# KiCad board doodle.kicad_pcb
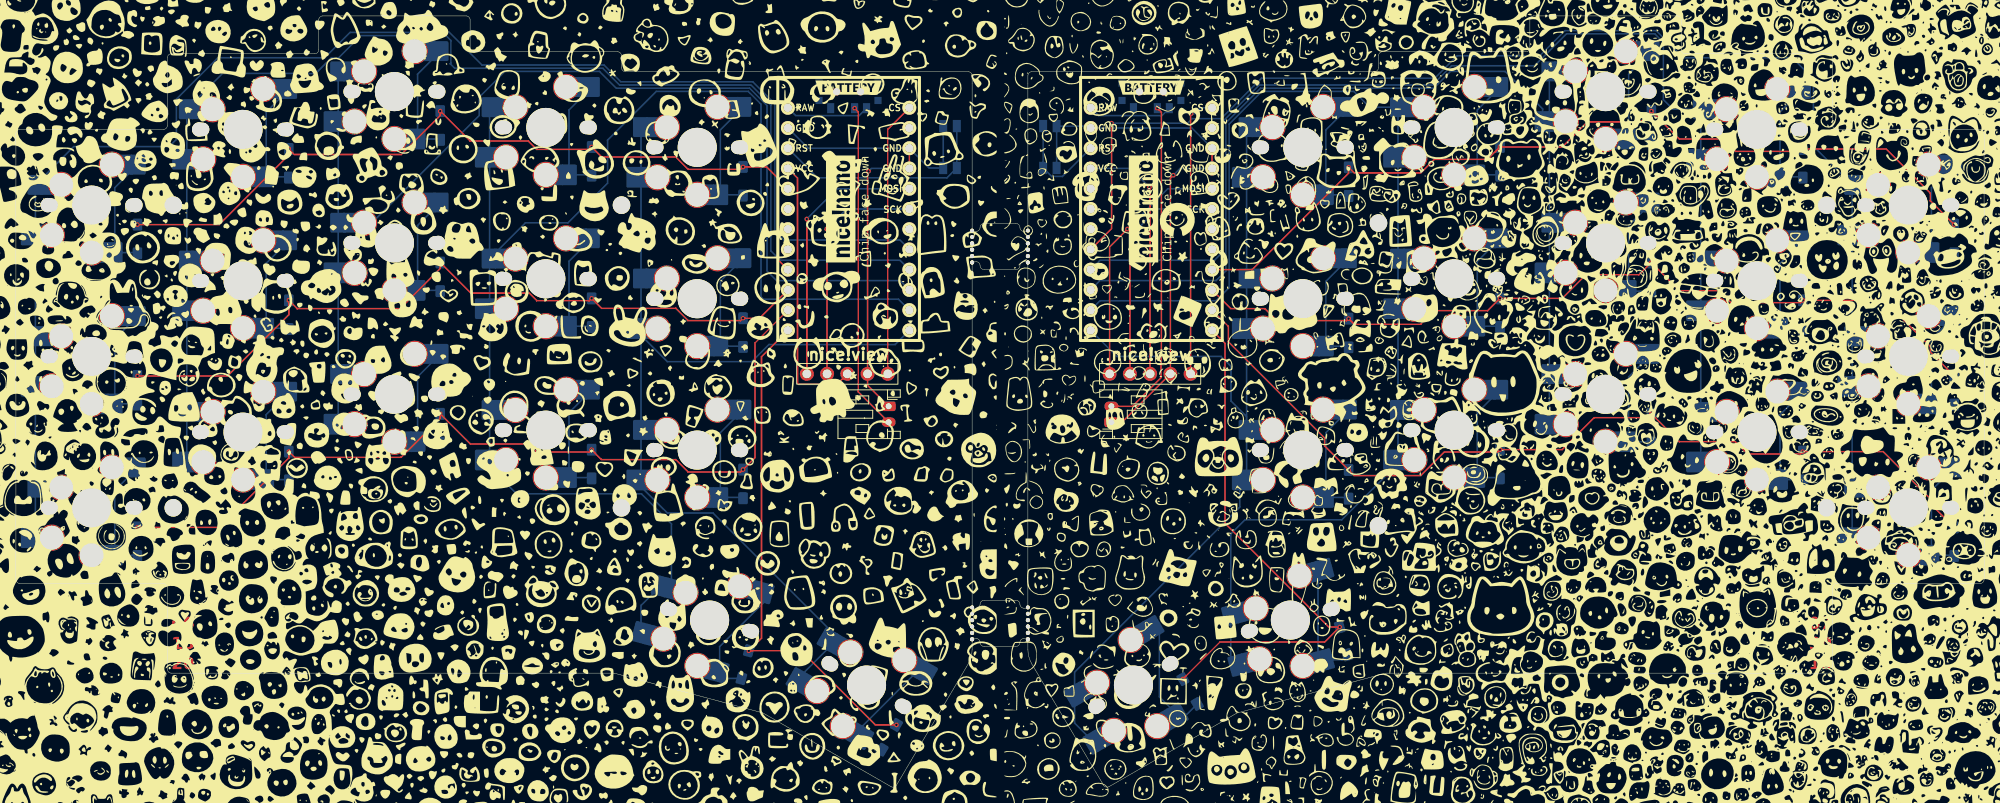
[diagram p0: board, top side]
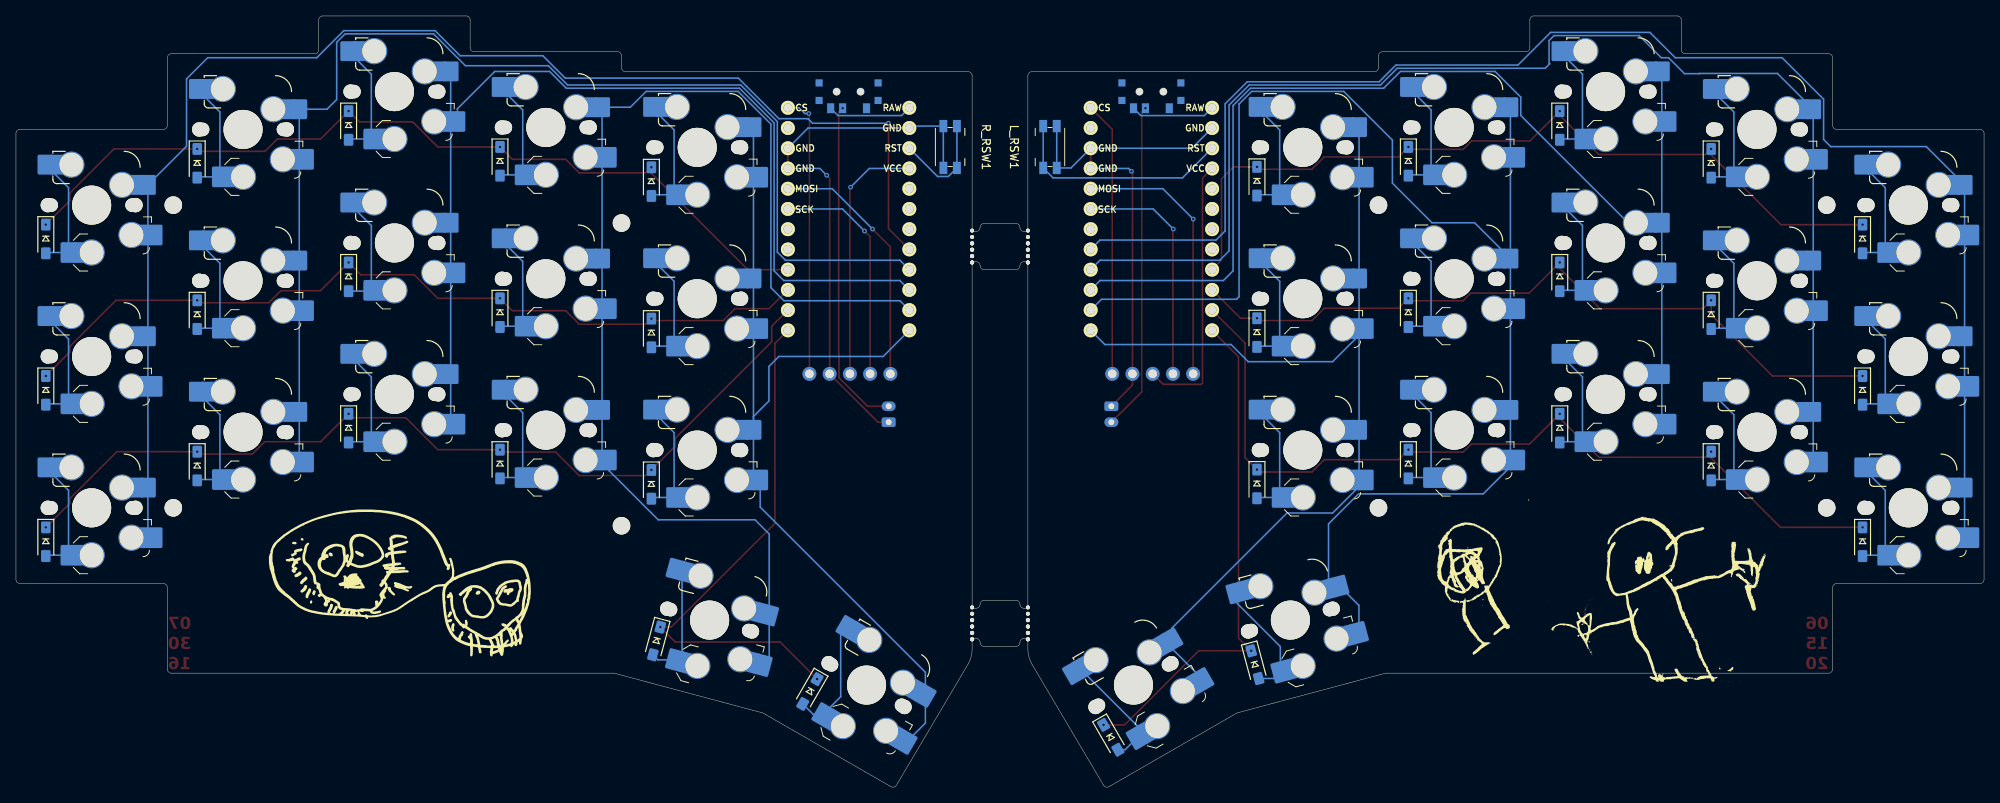
[diagram p1: board, bottom side, seen from below]

Outline 247 x 96.8 mm; copper layers: Top, Bottom. Coordinates in mm from the lower left corner of the outline.
Outline path: 0,82.05 0,26.05 arc(0.15,25.7) 0.5,25.55 18.5,25.55 arc(18.85,25.41) 19,25.05 19,14.8 arc(19.15,14.45) 19.5,14.3 75,14.3 arc(75.07,14.3) 75.13,14.29 93.69,9.32 arc(93.75,9.3) 93.81,9.27 109.82,0.05 arc(110.2,0) 110.5,0.23 119.5,15.44 arc(119.87,16.34) 120,17.3 120,18.65 120.5,18.65 arc(120.85,18.51) 121,18.15 arc(121.15,17.8) 121.5,17.65 125.5,17.65 arc(125.85,17.8) 126,18.15 arc(126.15,18.51) 126.5,18.65 127,18.65 127,17.3 arc(127.13,16.34) 127.5,15.44 136.5,0.23 arc(136.8,0) 137.18,0.05 153.19,9.27 arc(153.25,9.3) 153.31,9.32 171.87,14.29 arc(171.93,14.3) 172,14.3 226.5,14.3 227.5,14.3 arc(227.85,14.45) 228,14.8 228,25.05 arc(228.15,25.41) 228.5,25.55 246.5,25.55 arc(246.85,25.7) 247,26.05 247,82.05 arc(246.85,82.41) 246.5,82.55 228.5,82.55 arc(228.15,82.7) 228,83.05 228,91.55 arc(227.85,91.91) 227.5,92.05 209.5,92.05 arc(209.15,92.2) 209,92.55 209,96.3 arc(208.85,96.66) 208.5,96.8 190.5,96.8 arc(190.15,96.66) 190,96.3 190,92.8 arc(189.85,92.45) 189.5,92.3 171.5,92.3 arc(171.15,92.16) 171,91.8 171,90.3 arc(170.85,89.95) 170.5,89.8 127.5,89.8 arc(127.15,89.66) 127,89.3 127,88.3 127,69.75 126.5,69.75 arc(126.15,69.9) 126,70.25 arc(125.85,70.61) 125.5,70.75 121.5,70.75 arc(121.15,70.61) 121,70.25 arc(120.85,69.9) 120.5,69.75 120,69.75 120,89.3 arc(119.85,89.66) 119.5,89.8 76.5,89.8 arc(76.15,89.95) 76,90.3 76,91.8 arc(75.85,92.16) 75.5,92.3 57.5,92.3 arc(57.15,92.45) 57,92.8 57,96.3 arc(56.85,96.66) 56.5,96.8 38.5,96.8 arc(38.15,96.66) 38,96.3 38,92.55 arc(37.85,92.2) 37.5,92.05 19.5,92.05 arc(19.15,91.91) 19,91.55 19,83.05 arc(18.85,82.7) 18.5,82.55 0.5,82.55 arc(0.15,82.41) 0,82.05 ; 120,65.95 120,22.45 120.5,22.45 arc(120.85,22.6) 121,22.95 arc(121.15,23.31) 121.5,23.45 125.5,23.45 arc(125.85,23.31) 126,22.95 arc(126.15,22.6) 126.5,22.45 127,22.45 127,65.95 126.5,65.95 arc(126.15,65.81) 126,65.45 arc(125.85,65.1) 125.5,64.95 121.5,64.95 arc(121.15,65.1) 121,65.45 arc(120.85,65.81) 120.5,65.95 120,65.95
Stack: Top 0.035mm / dielectric 1.51mm FR4 er 4.5 / Bottom 0.035mm

## Placement (name value [footprint] x y rotation side)
D2  D  [D_SOD-123_Handsoldering]  15.25 68.8 270 bottom
D3  D  [D_SOD-123_Handsoldering]  34.25 78.3 270 bottom
D4  D  [D_SOD-123_Handsoldering]  53.25 83.05 270 bottom
D5  D  [D_SOD-123_Handsoldering]  72.25 78.55 270 bottom
D6  D  [D_SOD-123_Handsoldering]  91.25 76.05 270 bottom
D8  D  [D_SOD-123_Handsoldering]  15.25 49.8 270 bottom
D9  D  [D_SOD-123_Handsoldering]  34.25 59.3 270 bottom
D10  D  [D_SOD-123_Handsoldering]  53.25 64.05 270 bottom
D11  D  [D_SOD-123_Handsoldering]  72.25 59.55 270 bottom
D12  D  [D_SOD-123_Handsoldering]  91.25 57.05 270 bottom
D14  D  [D_SOD-123_Handsoldering]  15.25 30.8 270 bottom
D15  D  [D_SOD-123_Handsoldering]  34.25 40.3 270 bottom
D16  D  [D_SOD-123_Handsoldering]  53.25 45.05 270 bottom
D17  D  [D_SOD-123_Handsoldering]  72.25 40.55 270 bottom
D18  D  [D_SOD-123_Handsoldering]  91.25 38.05 270 bottom
D22  D  [D_SOD-123_Handsoldering]  91.51 15.37 255 bottom
D23  D  [D_SOD-123_Handsoldering]  109.6 6.25 240 bottom
D25  D  [D_SOD-123_Handsoldering]  243.25 68.8 270 bottom
D26  D  [D_SOD-123_Handsoldering]  224.25 78.3 270 bottom
D27  D  [D_SOD-123_Handsoldering]  205.25 83.05 270 bottom
D28  D  [D_SOD-123_Handsoldering]  186.25 78.55 270 bottom
D29  D  [D_SOD-123_Handsoldering]  167.25 76 270 bottom
D31  D  [D_SOD-123_Handsoldering]  243.25 49.8 270 bottom
D32  D  [D_SOD-123_Handsoldering]  224.25 59.3 270 bottom
D33  D  [D_SOD-123_Handsoldering]  205.25 64.05 270 bottom
D34  D  [D_SOD-123_Handsoldering]  186.25 59.55 270 bottom
D35  D  [D_SOD-123_Handsoldering]  167.25 57 270 bottom
D37  D  [D_SOD-123_Handsoldering]  243.25 30.8 270 bottom
D38  D  [D_SOD-123_Handsoldering]  224.25 40.3 270 bottom
D39  D  [D_SOD-123_Handsoldering]  205.25 45.05 270 bottom
D40  D  [D_SOD-123_Handsoldering]  186.25 40.55 270 bottom
D41  D  [D_SOD-123_Handsoldering]  167.25 38 270 bottom
D45  D  [D_SOD-123_Handsoldering]  166.6 18.34 285 bottom
D46  D  [D_SOD-123_Handsoldering]  147.35 12 300 bottom
G***  LOGO  [doodles_1]  240.5 53.55 0 top
G***#2  LOGO  [doodles_5]  7 53.8 0 top
G***#3  LOGO  [skelly4]  198.25 25.55 180 bottom
G***#4  LOGO  [people]  48.79 25.34 180 bottom
H2  MountingHole  [MountingHole_2.2mm_M2]  19.75 73.05 180 bottom
H3  MountingHole  [MountingHole_2.2mm_M2]  76 73.05 180 bottom
H5  MountingHole  [MountingHole_2.2mm_M2]  19.75 35.05 180 bottom
H6  MountingHole  [MountingHole_2.2mm_M2]  76 35.05 180 bottom
H8  MountingHole  [MountingHole_2.2mm_M2]  227.25 73.05 180 bottom
H9  MountingHole  [MountingHole_2.2mm_M2]  171 70.8 180 bottom
H11  MountingHole  [MountingHole_2.2mm_M2]  227.25 35.05 180 bottom
H12  MountingHole  [MountingHole_2.2mm_M2]  171 32.8 180 bottom
kibuzzard-636588C8  G***  [kibuzzard-636588C8]  144.56 72.57 90 top
kibuzzard-636588C8#2  G***  [kibuzzard-636588C8]  106.56 72.57 90 top
kibuzzard-636592CC  G***  [kibuzzard-636592CC]  104.5 87.8 0 top
kibuzzard-636592CC#2  G***  [kibuzzard-636592CC]  142.5 87.8 0 top
kibuzzard-63658865  G***  [kibuzzard-63658865]  103.51 72.57 90 top
kibuzzard-63658865#2  G***  [kibuzzard-63658865]  141.51 72.57 90 top
L_BATT1  Conn_01x02  [JST_PH_S2B-PH-K_1x02_P2.00mm_Horizontal]  109.53 47.8 270 top
L_DISPLAY1  nice!view  [nice_view]  104.34 68.35 0 top
L_MCU1  -  [nice_nano]  104.5 71.3 270 bottom
L_POWER_SW1  SW_SPDT  [smt-slider-switch]  104.5 87.29 180 bottom
L_RSW1  Reset_SW  [SMD_RESET]  117.23 80.35 90 bottom
NOREF  -  [unnamed]  120 19.35 0 top
NOREF#2  -  [unnamed]  120 18.55 0 top
NOREF#3  -  [unnamed]  127 20.95 0 top
NOREF#4  -  [unnamed]  127 65.85 0 top
NOREF#5  -  [unnamed]  127 20.15 0 top
NOREF#6  -  [unnamed]  127 19.35 0 top
NOREF#7  -  [unnamed]  120 20.95 0 top
NOREF#8  -  [unnamed]  120 66.65 0 top
NOREF#9  -  [unnamed]  120 20.15 0 top
NOREF#10  -  [unnamed]  127 66.65 0 top
NOREF#11  -  [unnamed]  120 67.45 0 top
NOREF#12  -  [unnamed]  120 68.25 0 top
NOREF#13  -  [unnamed]  127 68.25 0 top
NOREF#14  -  [unnamed]  127 67.45 0 top
NOREF#15  -  [unnamed]  127 18.55 0 top
NOREF#16  -  [unnamed]  120 65.85 0 top
R_BATT1  Conn_01x02  [JST_PH_S2B-PH-K_1x02_P2.00mm_Horizontal]  137.47 45.8 90 top
R_DISPLAY1  nice!view  [nice_view]  142.34 68.35 0 top
R_MCU1  -  [nice_nano]  142.5 71.3 270 bottom
R_POWER_SW1  SW_SPDT  [smt-slider-switch]  142.5 87.29 180 bottom
R_RSW1  Reset_SW  [SMD_RESET]  129.76 80.35 270 bottom
REF**  -  [Hole_0.5mm]  120 65.85 0 top
REF**#2  -  [Hole_0.5mm]  120 68.25 0 top
REF**#3  -  [Hole_0.5mm]  120 69.05 0 top
REF**#4  -  [Hole_0.5mm]  127 21.75 0 top
REF**#5  -  [Hole_0.5mm]  127 69.85 0 top
REF**#6  -  [Hole_0.5mm]  127 67.45 0 top
REF**#7  -  [Hole_0.5mm]  127 19.35 0 top
REF**#8  -  [Hole_0.5mm]  127 66.65 0 top
REF**#9  -  [Hole_0.5mm]  127 18.55 0 top
REF**#10  -  [Hole_0.5mm]  120 66.65 0 top
REF**#11  -  [Hole_0.5mm]  120 22.55 0 top
REF**#12  -  [Hole_0.5mm]  120 21.75 0 top
REF**#13  -  [Hole_0.5mm]  127 22.55 0 top
REF**#14  -  [Hole_0.5mm]  127 20.15 0 top
REF**#15  -  [Hole_0.5mm]  120 19.35 0 top
REF**#16  -  [Hole_0.5mm]  127 69.05 0 top
REF**#17  -  [Hole_0.5mm]  120 67.45 0 top
REF**#18  -  [Hole_0.5mm]  120 18.55 0 top
REF**#19  -  [Hole_0.5mm]  120 69.85 0 top
REF**#20  -  [Hole_0.5mm]  127 65.85 0 top
REF**#21  -  [Hole_0.5mm]  127 20.95 0 top
REF**#22  -  [Hole_0.5mm]  127 68.25 0 top
REF**#23  -  [Hole_0.5mm]  120 20.95 0 top
REF**#24  -  [Hole_0.5mm]  120 20.15 0 top
SW2  SW_Push  [SW_MX_Choc-v1v2_Hotswap]  9.5 73.05 0 top
SW3  SW_Push  [SW_MX_Choc-v1v2_Hotswap]  28.5 82.55 0 top
SW4  SW_Push  [SW_MX_Choc-v1v2_Hotswap]  47.5 87.3 0 top
SW5  SW_Push  [SW_MX_Choc-v1v2_Hotswap]  66.5 82.8 0 top
SW6  SW_Push  [SW_MX_Choc-v1v2_Hotswap]  85.5 80.3 0 top
SW8  SW_Push  [SW_MX_Choc-v1v2_Hotswap]  9.5 54.05 0 top
SW9  SW_Push  [SW_MX_Choc-v1v2_Hotswap]  28.5 63.55 0 top
SW10  SW_Push  [SW_MX_Choc-v1v2_Hotswap]  47.5 68.3 0 top
SW11  SW_Push  [SW_MX_Choc-v1v2_Hotswap]  66.5 63.8 0 top
SW12  SW_Push  [SW_MX_Choc-v1v2_Hotswap]  85.5 61.3 0 top
SW14  SW_Push  [SW_MX_Choc-v1v2_Hotswap]  9.5 35.05 0 top
SW15  SW_Push  [SW_MX_Choc-v1v2_Hotswap]  28.5 44.55 0 top
SW16  SW_Push  [SW_MX_Choc-v1v2_Hotswap]  47.5 49.3 0 top
SW17  SW_Push  [SW_MX_Choc-v1v2_Hotswap]  66.5 44.8 0 top
SW18  SW_Push  [SW_MX_Choc-v1v2_Hotswap]  85.5 42.3 0 top
SW22  SW_Push  [SW_MX_Choc-v1v2_Hotswap]  87.06 20.96 345 top
SW23  SW_Push  [SW_MX_Choc-v1v2_Hotswap]  106.75 12.8 330 top
SW25  SW_Push  [SW_MX_Choc-v1v2_Hotswap]  237.5 73.05 0 top
SW26  SW_Push  [SW_MX_Choc-v1v2_Hotswap]  218.5 82.55 0 top
SW27  SW_Push  [SW_MX_Choc-v1v2_Hotswap]  199.5 87.3 0 top
SW28  SW_Push  [SW_MX_Choc-v1v2_Hotswap]  180.5 82.8 0 top
SW29  SW_Push  [SW_MX_Choc-v1v2_Hotswap]  161.5 80.3 0 top
SW31  SW_Push  [SW_MX_Choc-v1v2_Hotswap]  237.5 54.05 0 top
SW32  SW_Push  [SW_MX_Choc-v1v2_Hotswap]  218.5 63.55 0 top
SW33  SW_Push  [SW_MX_Choc-v1v2_Hotswap]  199.5 68.3 0 top
SW34  SW_Push  [SW_MX_Choc-v1v2_Hotswap]  180.5 63.8 0 top
SW35  SW_Push  [SW_MX_Choc-v1v2_Hotswap]  161.5 61.3 0 top
SW37  SW_Push  [SW_MX_Choc-v1v2_Hotswap]  237.5 35.05 0 top
SW38  SW_Push  [SW_MX_Choc-v1v2_Hotswap]  218.5 44.55 0 top
SW39  SW_Push  [SW_MX_Choc-v1v2_Hotswap]  199.5 49.3 0 top
SW40  SW_Push  [SW_MX_Choc-v1v2_Hotswap]  180.5 44.8 0 top
SW41  SW_Push  [SW_MX_Choc-v1v2_Hotswap]  161.5 42.3 0 top
SW45  SW_Push  [SW_MX_Choc-v1v2_Hotswap]  159.94 20.96 15 top
SW46  SW_Push  [SW_MX_Choc-v1v2_Hotswap]  140.25 12.8 30 top

## Library data of the parts
D2-D6 D8-D12 D14-D18 D22 D23 D25-D29 D31-D35 D37-D41 D45 D46 = -: Description: Diode; Sim.Pins: 1=K 2=A; ki_fp_filters: TO-???* *_Diode_* *SingleDiode* D_*
H2 H3 H5 H6 H8 H9 H11 H12 = -: Description: Mounting Hole without connection; ki_fp_filters: MountingHole*
L_BATT1 R_BATT1 = -: Description: Generic connector, single row, 01x02, script generated (kicad-library-utils/schlib/autogen/connector/); ki_fp_filters: Connector*:*_1x??_*
L_DISPLAY1 R_DISPLAY1 = -: Datasheet: https://nicekeyboards.com/docs/nice-view/pinout-schematic; ki_fp_filters: nice*
L_MCU1 R_MCU1 = -: Field4: nice!nano
L_POWER_SW1 R_POWER_SW1 = -: Description: Switch, single pole double throw
L_RSW1 R_RSW1 = -: Description: Push button switch, generic, two pins; Field4: RESET
SW2-SW6 SW8-SW12 SW14-SW18 SW22 SW23 SW25-SW29 SW31-SW35 SW37-SW41 SW45 SW46 = -: Description: Push button switch, generic, two pins

## Footprints (pads in the part's own frame, mm; a bottom-side part is the same pattern mirrored in y, then rotated)
D_SOD-123_Handsoldering
  rrect 1.5x1.2 smd: 1(-1.8,0) 2(1.8,0)
Hole_0.5mm
  round 0.5 hole 0.5 unplated: (0,0)
JST_PH_S2B-PH-K_1x02_P2.00mm_Horizontal
  rrect 1.2x1.75 hole 0.75: 1(0,0)
  oval 1.2x1.75 hole 0.75: 2(2,0)
MountingHole_2.2mm_M2
  round 2.2 hole 2.2 unplated: (0,0)
nice_nano
  round 1.753 hole 1.092: 1(-13.97,-7.62) 2(-11.43,-7.62) 3(-8.89,-7.62) 4(-6.35,-7.62) 5(-3.81,-7.62) 6(-1.27,-7.62) 7(1.27,-7.62) 8(3.81,-7.62) 9(6.35,-7.62) 10(8.89,-7.62) 11(11.43,-7.62) 12(13.97,-7.62) 13(13.97,7.62) 14(11.43,7.62) 15(8.89,7.62) 16(6.35,7.62) 17(3.81,7.62) 18(1.27,7.62) 19(-1.27,7.62) 20(-3.81,7.62) 21(-6.35,7.62) 22(-8.89,7.62) 23(-11.43,7.62) 24(-13.97,7.62)
nice_view
  round 1.753 hole 1.092: 1(-5.08,-16.48) 2(-2.54,-16.48) 3(0,-16.48) 4(2.54,-16.48) 5(5.08,-16.48)
SMD_RESET
  rect 1.55x1 smd: 1(-2.625,0.85) 1(2.625,0.85) 2(-2.625,-0.85) 2(2.625,-0.85)
smt-slider-switch
  round 1 hole 0.9 unplated: (-1.5,0) (1.5,0)
  rect 0.9x0.9 smd: 0(-3.7,-1.1) 0(-3.7,1.1) 0(3.7,-1.1) 0(3.7,1.1)
  rect 0.9x1.25 smd: 1(2.25,-2.075) 2(-0.75,-2.075) 3(-2.25,-2.075)
SW_MX_Choc-v1v2_Hotswap
  round 1.8 hole 1.8 unplated: (-5.5,0) (5.5,0)
  round 1.7 hole 1.71 unplated: (-5.08,0) (5.08,0)
  round 4.9 hole 4.9 unplated: (0,0)
  rrect 2x2.6 smd far side: 1(-7.9,-3.75) 2(2.9,-5.95)
  rrect 2x2.5 smd far side: 1(-7.06,2.54) 2(5.79,5.08)
  rect 1.2x2.6 smd far side: 1(-6.55,-3.75) 2(1.55,-5.95)
  rect 1.65x2.5 smd far side: 1(-5.635,2.54) 2(4.34,5.08)
  round 3.3 hole 3: 1(-5,-3.75) 1(-3.81,2.54) 2(0,-5.95) 2(2.54,5.08)
unnamed
  round 0.5 hole 0.5 unplated: (0,0)

## Nets
L_BT+: L_BATT1.2 L_POWER_SW1.2
L_MOSI: L_DISPLAY1.1 L_MCU1.5
L_NVCS: L_DISPLAY1.5 L_MCU1.1
L_SCK: L_DISPLAY1.2 L_MCU1.6
L_VCC: L_DISPLAY1.3 L_MCU1.21
LCol 0: L_MCU1.8 SW2.1 SW8.1 SW14.1
LCol 1: L_MCU1.9 SW3.1 SW9.1 SW15.1
LCol 2: L_MCU1.10 SW4.1 SW10.1 SW16.1
LCol 3: L_MCU1.11 SW5.1 SW11.1 SW17.1 SW22.1
LCol 4: L_MCU1.12 SW6.1 SW12.1 SW18.1 SW23.1
LGND: L_BATT1.1 L_DISPLAY1.4 L_MCU1.3 L_MCU1.4 L_MCU1.23 L_RSW1.2
LRaw: L_MCU1.24 L_POWER_SW1.3
LReset: L_MCU1.22 L_RSW1.1
LRow 0: D2.1 D3.1 D4.1 D5.1 D6.1 L_MCU1.16
LRow 1: D8.1 D9.1 D10.1 D11.1 D12.1 L_MCU1.15
LRow 2: D14.1 D15.1 D16.1 D17.1 D18.1 L_MCU1.14
LRow 3: D22.1 D23.1 L_MCU1.13
R_BT+: R_BATT1.2 R_POWER_SW1.2
R_MOSI: R_DISPLAY1.1 R_MCU1.5
R_NVCS: R_DISPLAY1.5 R_MCU1.1
R_SCK: R_DISPLAY1.2 R_MCU1.6
R_VCC: R_DISPLAY1.3 R_MCU1.21
RCol 0: R_MCU1.17 SW25.1 SW31.1 SW37.1
RCol 1: R_MCU1.16 SW26.1 SW32.1 SW38.1
RCol 2: R_MCU1.15 SW27.1 SW33.1 SW39.1
RCol 3: R_MCU1.14 SW28.1 SW34.1 SW40.1 SW45.1
RCol 4: R_MCU1.13 SW29.1 SW35.1 SW41.1 SW46.1
RGND: R_BATT1.1 R_DISPLAY1.4 R_MCU1.3 R_MCU1.4 R_MCU1.23 R_RSW1.2
RRaw: R_MCU1.24 R_POWER_SW1.3
RReset: R_MCU1.22 R_RSW1.1
RRow 0: D25.1 D26.1 D27.1 D28.1 D29.1 R_MCU1.9
RRow 1: D31.1 D32.1 D33.1 D34.1 D35.1 R_MCU1.10
RRow 2: D37.1 D38.1 D39.1 D40.1 D41.1 R_MCU1.11
RRow 3: D45.1 D46.1 R_MCU1.12
Net-(D2-A): D2.2 SW2.2
Net-(D3-A): D3.2 SW3.2
Net-(D4-A): D4.2 SW4.2
Net-(D5-A): D5.2 SW5.2
Net-(D6-A): D6.2 SW6.2
Net-(D8-A): D8.2 SW8.2
Net-(D9-A): D9.2 SW9.2
Net-(D10-A): D10.2 SW10.2
Net-(D11-A): D11.2 SW11.2
Net-(D12-A): D12.2 SW12.2
Net-(D14-A): D14.2 SW14.2
Net-(D15-A): D15.2 SW15.2
Net-(D16-A): D16.2 SW16.2
Net-(D17-A): D17.2 SW17.2
Net-(D18-A): D18.2 SW18.2
Net-(D22-A): D22.2 SW22.2
Net-(D23-A): D23.2 SW23.2
Net-(D25-A): D25.2 SW25.2
Net-(D26-A): D26.2 SW26.2
Net-(D27-A): D27.2 SW27.2
Net-(D28-A): D28.2 SW28.2
Net-(D29-A): D29.2 SW29.2
Net-(D31-A): D31.2 SW31.2
Net-(D32-A): D32.2 SW32.2
Net-(D33-A): D33.2 SW33.2
Net-(D34-A): D34.2 SW34.2
Net-(D35-A): D35.2 SW35.2
Net-(D37-A): D37.2 SW37.2
Net-(D38-A): D38.2 SW38.2
Net-(D39-A): D39.2 SW39.2
Net-(D40-A): D40.2 SW40.2
Net-(D41-A): D41.2 SW41.2
Net-(D45-A): D45.2 SW45.2
Net-(D46-A): D46.2 SW46.2

Pads without a net: L_MCU1 2 7 17 18 19 20; L_POWER_SW1 0 1; R_MCU1 2 7 8 18 19 20; R_POWER_SW1 0 1

## Via types
v1: diameter 0.6, hole 0.3, Top to Bottom, 45 vias

## Routing (per net, layer and track width the routed paths; a pad name or vN(x,y) marks a point on that pad's centre or on a via; arc(x,y) is an arc through that point)
L_BT+: length 41.2
  Top w0.2: v1(105.25,85.22) 105.7,84.76 105.7,49.62 L_BATT1.2
L_MOSI: length 33.9
  Top w0.2: L_DISPLAY1.1 99.26,71.29 v1(99.25,71.3)
  Bottom w0.2: v1(99.25,71.3) 103.06,75.11 L_MCU1.5
L_NVCS: length 34.5
  Top w0.2: L_DISPLAY1.5 109.42,82.57 L_MCU1.1
L_SCK: length 29.6
  Top w0.2: L_DISPLAY1.2 101.8,70 v1(101.75,70.05)
  Bottom w0.2: L_MCU1.6 104.27,72.57 v1(101.75,70.05)
L_VCC: length 34.3
  Top w0.2: L_MCU1.21 98.08,76.45 98.08,50.72 98.25,50.55 103.02,50.55 L_DISPLAY1.3
LCol 0: length 187.2
  Bottom w0.2: SW14.1 2.44,32.14 SW14.1 2.44,49.46 SW8.1 2.44,51.14 SW8.1 2.44,68.46 SW2.1 2.44,70.14 SW2.1 7.25,80.4 19.24,80.4 20.14,81.3 20.14,86.36 25.34,91.55 38.75,91.55 41.93,94.73 54.4,94.73 58.5,90.63 73.82,90.63 75.92,88.53 92.47,88.53 95.25,85.76 95.25,69.8 96.38,68.67 110.94,68.67 L_MCU1.8
LCol 1: length 165.3
  Bottom w0.2: SW15.1 21.44,41.64 SW15.1 21.44,58.96 SW9.1 21.44,60.64 SW9.1 21.44,77.96 SW3.1 21.44,79.64 SW3.1 25.93,89.58 35.72,89.58 35.75,89.55 37.59,89.55 39.59,91.55 40.5,91.55 43.28,94.33 53.97,94.33 54.59,93.71 54.59,90.89 54.5,90.8 55.07,90.23 73.65,90.23 75.75,88.13 92.23,88.13 94.75,85.62 94.75,67.3 95.92,66.13 110.94,66.13 L_MCU1.9
LCol 2: length 150.4
  Bottom w0.2: SW10.1 44.68,70.84 58.14,84.3 58.14,86.61 61.37,89.83 73.24,89.83 75.34,87.73 92.07,87.73 94.25,85.55 94.25,64.8 95.46,63.59 110.94,63.59 L_MCU1.10 ; SW10.1 40.44,82.71 SW4.1 40.44,84.39 SW4.1 ; SW10.1 40.44,65.39 SW10.1 40.44,63.71 SW16.1 40.44,46.39 SW16.1
LCol 3: length 181
  Bottom w0.2: SW22.1 82.27,33.03 78.5,36.8 62.85,36.8 SW17.1 59.44,41.89 SW17.1 59.44,59.21 SW11.1 59.44,60.89 SW11.1 ; L_MCU1.11 110.76,61.24 93.82,61.24 93.5,61.55 93.5,85.74 91.9,87.33 80.37,87.33 74.25,81.22 74.25,75.8 69.28,70.83 63.93,70.83 SW11.1 ; SW5.1 59.44,79.89 SW5.1 59.44,78.21 SW11.1 ; SW11.1 62.35,66.34 ; SW22.1 78.45,22.8 SW22.1
LCol 4: length 124
  Bottom w0.2: SW12.1 81.75,53.4 92.35,53.4 94.5,55.55 110.34,55.55 L_MCU1.12 ; SW12.1 78.44,58.39 SW12.1 78.44,75.71 SW6.1 78.44,77.39 SW6.1 ; SW12.1 78.44,56.71 SW18.1 78.44,39.39 SW18.1 81.75,34.4 87.48,34.4 101.91,19.98 SW23.1 101.91,17.38 SW23.1
LGND: length 65.3
  Top w0.2: L_MCU1.3 L_MCU1.4 ; L_BATT1.1 106.88,50.45 L_DISPLAY1.4 106.88,77.18 v1(107,77.3)
  Bottom w0.2: L_MCU1.23 99.42,80.19 L_MCU1.3 114.59,77.72 L_RSW1.2 L_RSW1.2 ; v1(107,77.3) 107.35,77.65 L_MCU1.4
LRaw: length 10.7
  Bottom w0.2: 106.75,85.22 105.82,84.29 97.86,84.29 L_MCU1.24
LReset: length 28.5
  Bottom w0.2: L_RSW1.1 L_RSW1.1 116.83,76.48 100.6,76.48 L_MCU1.22
LRow 0: length 103.6
  Top w0.2: v1(15.25,70.6) 25.5,70.6 34.25,79.35 v1(34.25,80.1) 34.95,79.4 48.35,79.4 53.25,84.3 v1(53.25,84.85) 56.99,81.11 64.31,81.11 65.36,80.05 71.95,80.05 v1(72.25,80.35) 73.5,79.1 82.81,79.1 84.36,77.55 90.95,77.55 v1(91.25,77.85) 94.2,77.85 95.7,76.35 95.7,66.13 L_MCU1.16
LRow 1: length 94.8
  Top w0.2: v1(15.25,51.6) 26.55,51.6 34.25,59.3 v1(34.25,61.1) 35.3,60.05 48.2,60.05 53.25,65.1 v1(53.25,65.85) 57.1,62 64.41,62 65.36,61.05 71.95,61.05 v1(72.25,61.35) 73.5,60.1 82.81,60.1 84.36,58.55 90.95,58.55 v1(91.25,58.85) 93.32,58.85 L_MCU1.15
LRow 2: length 109
  Top w0.2: L_MCU1.14 92.75,55.74 92.75,41.35 v1(91.25,39.85) 90.95,39.55 84.36,39.55 82.81,41.1 73.5,41.1 v1(72.25,42.35) 71.95,42.05 65.36,42.05 64.36,43.05 57.05,43.05 v1(53.25,46.85) 53.25,46.3 48.35,41.4 34.95,41.4 v1(34.25,42.1) 34.25,41.3 25.55,32.6 v1(15.25,32.6)
LRow 3: length 64.6
  Top w0.2: L_MCU1.13 93.57,54.02 93.57,18.7 v1(91.98,17.11) 98.56,17.11 107.86,7.81 v1(110.5,7.81)
R_BT+: length 41.8
  Top w0.2: v1(143.25,85.22) 143.75,84.72 143.75,54.3 143.7,54.26 143.7,51.39 140.12,47.8 R_BATT1.2
R_MOSI: length 31.8
  Top w0.2: R_DISPLAY1.1 137.26,67.81 v1(139.5,70.05)
  Bottom w0.2: v1(139.5,70.05) 144.56,75.11 R_MCU1.5
R_NVCS: length 35.6
  Top w0.2: v1(147.5,84.55) 147.42,84.47 R_DISPLAY1.5
  Bottom w0.2: v1(147.5,84.55) 148,84.55 148.72,85.27 R_MCU1.1
R_SCK: length 29
  Top w0.2: v1(140.5,69.8) 139.8,69.1 R_DISPLAY1.2
  Bottom w0.2: R_MCU1.6 143.27,72.57 v1(140.5,69.8)
R_VCC: length 31.8
  Top w0.2: R_DISPLAY1.3 142.34,75.21 v1(142.25,75.3)
  Bottom w0.2: v1(142.25,75.3) 139.9,77.65 R_MCU1.21
RCol 0: length 173.7
  Top w0.2: v1(137.5,83.33) 137.5,70.11 R_MCU1.17
  Bottom w0.2: v1(137.5,83.33) 147.03,83.33 147.61,83.91 151.25,83.91 156.33,88.99 178.06,88.99 180.87,91.8 191.25,91.8 194.4,94.95 205.85,94.95 209.25,91.55 222.93,91.55 225.59,88.9 225.59,80.44 SW25.1 230.44,70.14 SW25.1 230.44,68.46 SW31.1 230.44,51.14 SW31.1 230.44,49.46 SW37.1 230.44,32.14 SW37.1
RCol 1: length 152.6
  Bottom w0.2: SW38.1 211.44,41.64 SW38.1 211.44,58.96 SW32.1 211.44,60.64 SW32.1 211.44,77.96 SW26.1 211.44,79.64 SW26.1 207.96,85.09 206.75,86.3 206.75,93.49 205.68,94.55 194.59,94.55 190.59,90.55 180.18,90.55 177.76,88.13 156.04,88.13 151.45,83.55 151.45,67.16 150.42,66.13 136.06,66.13 R_MCU1.16
RCol 2: length 128.5
  Bottom w0.2: R_MCU1.15 136.06,63.59 150.64,63.59 151.85,64.8 151.85,83.38 156.2,87.73 177.93,87.73 180.03,89.83 186.9,89.83 191.6,85.14 SW27.1 ; SW27.1 192.44,82.71 SW33.1 192.44,65.39 SW33.1 192.44,63.71 SW39.1 192.44,46.39 SW39.1 ; SW27.1 192.44,84.39 SW27.1
RCol 3: length 150.4
  Bottom w0.2: SW45.1 152.47,16.11 SW45.1 152.47,31.77 154.25,33.55 166.4,33.55 172.6,39.75 SW40.1 173.44,41.89 SW40.1 173.44,59.21 SW34.1 173.44,60.89 SW34.1 173.44,78.21 SW28.1 173.44,79.89 SW28.1 169.89,85.34 167.9,87.33 156.37,87.33 152.25,83.22 152.25,62.69 150.61,61.05 136.06,61.05 R_MCU1.14
RCol 4: length 116.8
  Bottom w0.2: SW41.1 154.44,46.52 152.5,48.46 152.5,52.8 151.25,54.05 138.16,54.05 R_MCU1.13 ; SW41.1 154.44,56.71 SW35.1 154.44,58.39 SW35.1 154.44,75.71 SW29.1 154.44,77.39 SW29.1 ; SW41.1 154.44,39.39 SW41.1 153.6,35.15 132.87,14.42 SW46.1 132.87,8.02 SW46.1
RGND: length 68.7
  Top w0.2: R_MCU1.3 R_MCU1.4 ; v1(145.25,76.8) 144.88,76.43 R_DISPLAY1.4 138.81,45.8 R_BATT1.1
  Bottom w0.2: R_MCU1.4 146.1,77.65 v1(145.25,76.8) ; R_RSW1.2 R_RSW1.2 134.64,82.97 R_MCU1.23 147.58,82.73 R_MCU1.3
RRaw: length 10.7
  Bottom w0.2: 144.75,85.22 143.82,84.29 135.86,84.29 R_MCU1.24
RReset: length 13.1
  Bottom w0.2: R_MCU1.22 131.34,76.65 129.99,76.65 R_RSW1.1 R_RSW1.1
RRow 0: length 109.1
  Top w0.2: R_MCU1.9 155.15,64.95 167.25,77.05 v1(167.25,77.8) 167.95,77.1 176.31,77.1 178.01,78.8 184.7,78.8 v1(186.25,80.35) 194.06,80.35 197.21,83.5 203.9,83.5 v1(205.25,84.85) 208.75,81.35 214.2,81.35 215.75,79.8 223.95,79.8 v1(224.25,80.1) 234.7,80.1 240.25,74.55 240.25,73.6 v1(243.25,70.6)
RRow 1: length 104.9
  Top w0.2: R_MCU1.10 152.48,60.05 156.76,60.05 158.26,58.55 167,58.55 v1(167.25,58.8) 167.95,58.1 176.31,58.1 178.01,59.8 184.7,59.8 v1(186.25,61.35) 194.06,61.35 197.01,64.3 203.7,64.3 v1(205.25,65.85) 208.8,62.3 213.76,62.3 215.26,60.8 223.95,60.8 v1(224.25,61.1) 234.45,61.1 240.25,55.3 240.25,54.6 v1(243.25,51.6)
RRow 2: length 113.2
  Top w0.2: R_MCU1.11 152.15,57.84 152.15,55.9 164.25,43.8 164.25,42.8 v1(167.25,39.8) 167.95,39.1 176.31,39.1 179.26,42.05 185.95,42.05 v1(186.25,42.35) 194.06,42.35 198.07,46.36 204.76,46.36 v1(205.25,46.85) 208.75,43.35 215.77,43.35 217.32,41.8 223.95,41.8 v1(224.25,42.1) 234.34,42.1 240.25,36.19 240.25,35.6 v1(243.25,32.6)
RRow 3: length 67.1
  Top w0.2: v1(146.45,13.56) 151.11,18.21 164.26,18.21 v1(166.13,20.08) 164.77,20.08 151.75,33.1 151.75,55.7 R_MCU1.12
Net-(D2-A): length 15.1
  Bottom w0.2: SW2.2 12.4,75.24 SW2.2 15.15,67.1 D2.2
Net-(D3-A): length 15.1
  Bottom w0.2: D3.2 34.15,76.6 SW3.2 31.4,84.74 SW3.2
Net-(D4-A): length 15.1
  Bottom w0.2: D4.2 53.15,81.35 SW4.2 50.4,89.49 SW4.2
Net-(D5-A): length 15.1
  Bottom w0.2: D5.2 72.15,76.85 SW5.2 69.4,84.99 SW5.2
Net-(D6-A): length 15.1
  Bottom w0.2: SW6.2 88.4,82.49 SW6.2 91.15,74.35 D6.2
Net-(D8-A): length 15.1
  Bottom w0.2: SW8.2 12.4,56.24 SW8.2 15.15,48.1 D8.2
Net-(D9-A): length 15.1
  Bottom w0.2: D9.2 34.15,57.6 SW9.2 31.4,65.74 SW9.2
Net-(D10-A): length 15.1
  Bottom w0.2: SW10.2 50.4,70.49 SW10.2 53.15,62.35 D10.2
Net-(D11-A): length 15.1
  Bottom w0.2: SW11.2 69.4,65.99 SW11.2 72.15,57.85 D11.2
Net-(D12-A): length 15.1
  Bottom w0.2: SW12.2 88.4,63.49 SW12.2 91.15,55.35 D12.2
Net-(D14-A): length 15.1
  Bottom w0.2: SW14.2 12.4,37.24 SW14.2 15.15,29.1 D14.2
Net-(D15-A): length 15.1
  Bottom w0.2: SW15.2 31.4,46.74 SW15.2 34.15,38.6 D15.2
Net-(D16-A): length 15.1
  Bottom w0.2: D16.2 53.15,43.35 SW16.2 50.4,51.49 SW16.2
Net-(D17-A): length 15.1
  Bottom w0.2: D17.2 72.15,38.85 SW17.2 69.4,46.99 SW17.2
Net-(D18-A): length 15.1
  Bottom w0.2: D18.2 91.15,36.35 SW18.2 88.4,44.49 SW18.2
Net-(D22-A): length 15.3
  Bottom w0.2: SW22.2 93.96,23.28 88.32,17.63 SW22.2 89.15,13.63 D22.2
Net-(D23-A): length 15.3
  Bottom w0.2: SW23.2 112.89,14.31 106.29,7.7 SW23.2 107.8,4.69 D23.2
Net-(D25-A): length 15.1
  Bottom w0.2: D25.2 243.15,67.1 SW25.2 240.4,75.24 SW25.2
Net-(D26-A): length 15.1
  Bottom w0.2: D26.2 224.15,76.6 SW26.2 221.4,84.74 SW26.2
Net-(D27-A): length 15.1
  Bottom w0.2: SW27.2 202.4,89.49 SW27.2 205.15,81.35 D27.2
Net-(D28-A): length 15.1
  Bottom w0.2: D28.2 186.15,76.85 SW28.2 183.4,84.99 SW28.2
Net-(D29-A): length 15.1
  Bottom w0.2: D29.2 167.1,74.35 SW29.2 164.4,82.49 SW29.2
Net-(D31-A): length 15.1
  Bottom w0.2: SW31.2 240.4,56.24 SW31.2 243.15,48.1 D31.2
Net-(D32-A): length 15.1
  Bottom w0.2: SW32.2 221.4,65.74 SW32.2 224.15,57.6 D32.2
Net-(D33-A): length 15.1
  Bottom w0.2: D33.2 202.8,62.25 202.7,62.35 SW33.2 202.4,70.49 SW33.2
Net-(D34-A): length 15.1
  Bottom w0.2: SW34.2 183.4,65.99 SW34.2 186.15,57.85 D34.2
Net-(D35-A): length 15.1
  Bottom w0.2: SW35.2 164.4,63.49 SW35.2 167.1,55.35 D35.2
Net-(D37-A): length 15.1
  Bottom w0.2: D37.2 243.15,29.1 SW37.2 240.4,37.24 SW37.2
Net-(D38-A): length 15.1
  Bottom w0.2: SW38.2 221.4,46.74 SW38.2 224.15,38.6 D38.2
Net-(D39-A): length 15.1
  Bottom w0.2: D39.2 205.15,43.35 SW39.2 202.4,51.49 SW39.2
Net-(D40-A): length 15.1
  Bottom w0.2: SW40.2 183.4,46.99 SW40.2 186.15,38.85 D40.2
Net-(D41-A): length 15.1
  Bottom w0.2: D41.2 167.1,36.35 SW41.2 164.4,44.49 SW41.2
Net-(D45-A): length 15.1
  Bottom w0.2: SW45.2 163.41,26.55 163.41,16.84 SW45.2 166.42,15.96 D45.2
Net-(D46-A): length 15.3
  Bottom w0.2: D46.2 146.92,9.1 SW46.2 143.49,11.34 143.49,19.33 SW46.2

## Copper pours and planes (outline as drawn; the poured copper is in the pictures)
(no net) on Top, Bottom: -28.5,104.05 275.5,104.05 275.5,-9.95 -28.5,-9.95

## Text on the board
Top: 06 / 15 / 20 | 07 / 30 / 16
F.Mask: 06 / 15 / 20 | 07 / 30 / 16
F.Silkscreen: nice!view
